# Altium PCB SmartHaloV1.PcbDoc (part 3 of 4)
Units mil, origin at the board's own origin, x right, y up, seen from the top; angles counter-clockwise.
Board outline 3022.28 x 2564.81 mil, 4 copper layers (Top Layer, Ground Plane, Power Plane, Bottom Layer), stack 59.692 mil thick; 370 components, 182 nets, 935 pads, 581 vias.
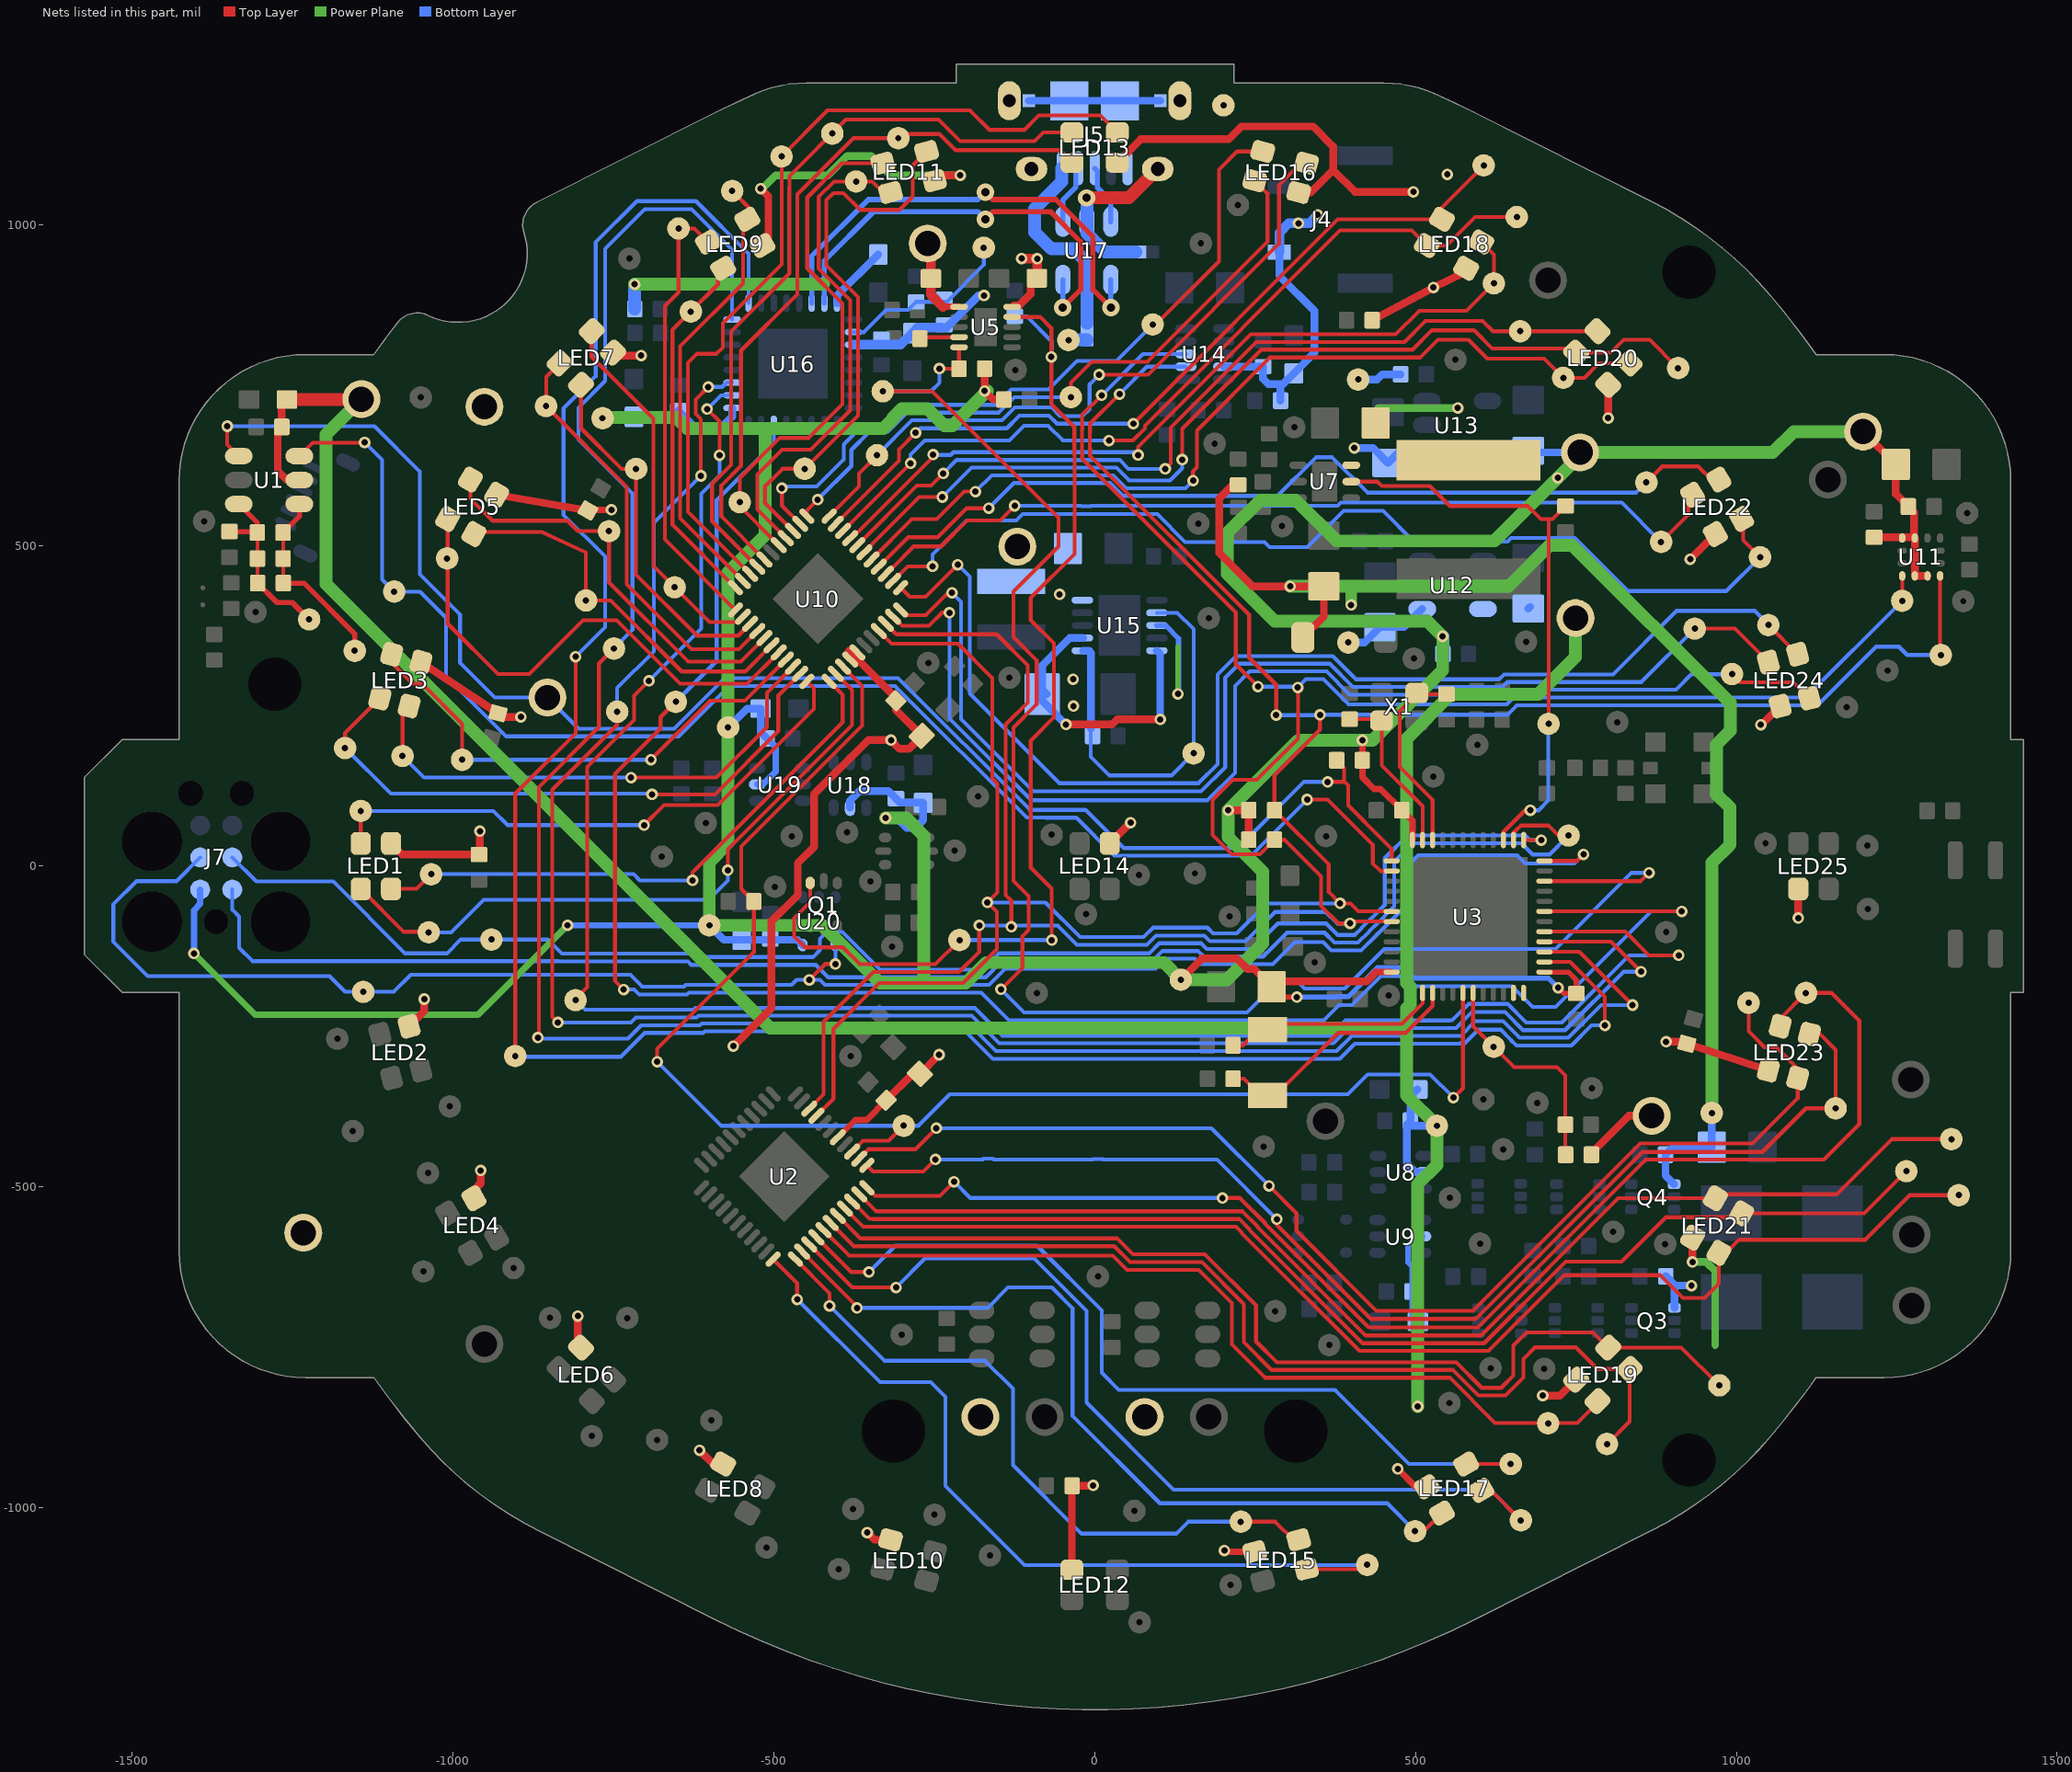
[diagram p5: the nets of this part, all layers, seen from the top]

## Via types
v1: diameter 18, hole 10, Top Layer to Bottom Layer, 557 vias
v2: diameter 27, hole 13, Top Layer to Bottom Layer, 24 vias

## Nets (pads, with @x,y where several pads share a name; then routed paths per layer and width w, separated by ;. In a path a pad name is that pad's centre, name@x,y a point inside that pad or via, vN(x,y) a via of type N, cw(c..) or ccw(c..) an arc to the next point about the centre after c; other vN are vias at no path point) (continued)
OUT23: LED15.3 TP42.1 U2.22 | length 1316.8
  Top Layer w6: U2.22@-501.1,-612.45 -463.6,-649.95 v1(-463.6,-675.2) ; LED15.3@330.22,-1095.58 418.02,-1095.58 TP42.1@424.8,-1088.8
  Bottom Layer w6: v1(-463.6,-675.2) -334.5,-804.3 -255.3,-804.3 -232.4,-827.2 -232.4,-965.8 -109.1,-1089.1 424.5,-1089.1 TP42.1@424.8,-1088.8
OUT24: LED15.4 TP43.1 U2.23 | length 1062.1
  Top Layer w6: U2.23@-466.3,-612.45 -413.1,-665.66 v1(-413.1,-685.2) ; TP43.1@227.7,-1021.7 281.5,-1021.7 309.74,-1049.94 LED15.4@317.99,-1049.94
  Bottom Layer w6: v1(-413.1,-685.2) -327.4,-770.9 -170.7,-770.9 -127.3,-814.3 -127.3,-933.4 -20.4,-1040.3 127,-1040.3 145.6,-1021.7 TP43.1@227.7,-1021.7
OUT25: LED17.2 TP44.1 U2.24 | length 1318.6
  Top Layer w6: U2.24@-455.86,-600.62 -367.98,-688.5 v1(-370.2,-688.5) ; TP44.1@499.3,-1036.4 512.98,-1036.4 LED17.2@541.16,-1008.21
  Bottom Layer w6: v1(-370.2,-688.5) -166.9,-688.5 -134.9,-656.5 -66.7,-656.5 -34.5,-688.7 -34.5,-856.7 101.8,-993 455.9,-993 TP44.1@499.3,-1036.4
OUT26: LED17.3 TP45.1 U2.25 | length 1489
  Top Layer w6: U2.25@-444.73,-589.49 -377.61,-656.6 v1(-309.4,-656.6) ; LED17.3@603.52,-971.8 616.4,-971.8 TP45.1@664.1,-1019.5
  Bottom Layer w6: v1(-309.4,-656.6) -263.7,-610.9 -94.7,-610.9 -12.7,-692.9 -12.7,-836 123.1,-971.8 616.4,-971.8 TP45.1@664.1,-1019.5
OUT27: LED17.4 TP46.1 U2.26 | length 1404.6
  Top Layer w6: U2.26@-433.59,-578.35 -379.44,-632.5 v1(-351.7,-632.5) ; LED17.4@578.91,-931.87 LED17.4@578.91,-915.81 ; LED17.4@578.91,-931.6 TP46.1@648.4,-931.6
  Bottom Layer w6: v1(-351.7,-632.5) -310.9,-591.7 -89.6,-591.7 10.9,-692.2 10.9,-789.42 37.78,-816.3 374.66,-816.3 489.96,-931.6 TP46.1@648.4,-931.6
OUT28: LED19.2 TP47.1 U2.27 | length 1385.1
  Top Layer w6: U2.27@-422.45,-567.22 -382.57,-607.1 28.2,-607.1 50.3,-629.2 162.2,-629.2 213.7,-680.7 213.7,-745.4 265.5,-797.2 553.43,-797.2 623.93,-867.7 752.3,-867.7 LED19.2@786.23,-833.77
OUT29: LED19.3 TP48.1 U2.28 | length 1584.7
  Top Layer w6: U2.28@-411.32,-556.08 -375.1,-592.3 30.37,-592.3 55.27,-617.2 167.17,-617.2 232.6,-682.63 232.6,-741.9 275.9,-785.2 558.4,-785.2 598.2,-825 640.2,-825 668.2,-797 668.2,-768 686.2,-750 749.7,-750 783.36,-783.66 LED19.3@833.77,-783.66 833.77,-865.33 TP48.1@798.5,-900.6
OUT30: LED19.4 TP49.1 U2.29 | length 1615
  Top Layer w6: U2.29@-400.18,-544.95 -364.83,-580.3 35.34,-580.3 59.74,-604.7 171.64,-604.7 251.5,-684.56 251.5,-740.74 283.96,-773.2 563.6,-773.2 603.4,-813 633.5,-813 652.3,-794.2 652.3,-747.2 673,-726.5 776.61,-726.5 LED19.4@800.36,-750.25 914.05,-750.25 TP49.1@973.2,-809.4
OUT31: LED21.2 TP50.1 U2.30 | length 1986.5
  Top Layer w6: U2.30@-389.05,-533.81 -360.86,-562 220.3,-562 229.8,-571.5 229.8,-572.67 412.73,-755.6 614,-755.6 732.2,-637.4 881.1,-637.4 916.7,-673 950.6,-673 972.74,-650.86 LED21.2@972.74,-602.54 984.16,-602.54 1004.5,-582.2 1200.9,-582.2 1270.3,-512.8 TP50.1@1346.5,-512.8
OUT32: LED21.3 TP51.1 U2.31 | length 1837.6
  Top Layer w6: U2.31@-377.91,-522.67 -350.79,-549.8 -345.49,-549.8 -345.29,-550 225.27,-550 241.8,-566.53 241.8,-567.7 417.6,-743.5 606.9,-743.5 734.1,-616.3 821.2,-616.3 890.26,-547.24 LED21.3@1002.1,-547.24 ; LED21.3@1008.17,-541.16 1199.14,-541.16 TP51.1@1265,-475.3
OUT33: LED21.4 TP52.1 U2.32 | length 1923.9
  Top Layer w6: U2.32@-366.78,-511.54 -340.32,-538 230.24,-538 253.8,-561.56 253.8,-562.73 422.57,-731.5 601.93,-731.5 815.89,-517.54 LED21.4@967.26,-517.54 967.26,-511.47 1156.03,-511.47 1242,-425.5 TP52.1@1335,-425.5
OUT34: LED23.4 TP53.1 U2.33 | length 2118.4
  Top Layer w6: U2.33@-354.95,-501.1 -342.14,-513.9 -241.2,-513.9 v1(-219.1,-491.8) ; v1(199.2,-517.2) 226.41,-517.2 265.8,-556.59 265.8,-557.76 427.04,-719 597.46,-719 858.96,-457.5 1136.5,-457.5 1191.7,-402.3 1191.7,-240.8 1148.5,-197.6 TP53.1@1108.4,-197.6 1068.24,-237.76 LED23.4@1068.24,-249.58
  Bottom Layer w6: v1(-219.1,-491.8) -193.8,-517.1 199.2,-517.1 v1(199.2,-517.2)
OUT35: LED23.3 TP54.1 U2.34 | length 1908.7
  Top Layer w6: U2.34@-354.95,-466.3 -345.45,-475.8 -266.8,-475.8 v1(-248.1,-457.1) ; v1(283.8,-550.2) 283.8,-558.79 430.71,-705.7 593.79,-705.7 853.99,-445.5 1040.5,-445.5 1108.6,-377.4 TP54.1@1154.7,-377.4 1154.7,-286.4 1130.11,-261.81 LED23.3@1113.88,-261.81
  Bottom Layer w6: v1(-248.1,-457.1) -174.66,-457.1 -173.36,-455.8 -158.44,-455.8 -157.14,-457.1 -2.96,-457.1 -2.56,-456.7 12.36,-456.7 12.76,-457.1 190.7,-457.1 v1(283.8,-550.2)
OUT36: LED23.2 TP55.1 U2.35 | length 1944.8
  Top Layer w6: U2.35@-366.78,-455.86 -352.12,-441.2 -279.4,-441.2 v1(-246.6,-408.4) ; v1(271.8,-498.2) 314.5,-540.9 314.5,-568.56 439.04,-693.1 589.42,-693.1 850.42,-432.1 1025.2,-432.1 1095.54,-361.76 LED23.2@1095.54,-330.26 1095.54,-315.14 1062.5,-282.1 1043.7,-282.1 1019.1,-257.5 TP55.1@1019.1,-213
  Bottom Layer w6: v1(-246.6,-408.4) 182,-408.4 v1(271.8,-498.2)
OUT37: LED24.2 TP60.1 U10.43 | length 1866.1
  Top Layer w6: U10.43@-314.18,388.86 -300.12,374.8 -258.1,374.8 -237.9,395 v1(-226.3,395) ; TP60.1@993.2,299.4 1005.9,286.7 1088.95,286.7 LED24.2@1113.88,261.77
  Bottom Layer w6: v1(-226.3,395) -226.3,240.6 -226.28,230.11 -98.97,102.8 176,102.8 218.7,145.5 218.7,280.8 241.4,303.5 361.27,303.5 397.57,267.2 640.26,267.2 647.96,274.9 905.9,274.9 930,299 TP60.1@993.2,299
OUT38: LED24.4 TP61.1 U10.44 | length 1843.9
  Top Layer w6: U10.44@-302.35,399.3 -294.34,391.3 -263.1,391.3 -228.4,426 v1(-222.3,426) ; TP61.1@935.2,370.2 997.7,370.2 LED24.4@1049.9,317.99
  Bottom Layer w6: v1(-222.3,426) -208.3,412 -208.3,377.58 -208.4,377.48 -208.4,229.2 -95.7,116.5 166,116.5 203.5,154 203.5,293.5 225.5,315.5 366.24,315.5 402.54,279.2 635.29,279.2 642.99,286.9 851.9,286.9 TP61.1@935.2,370.2
OUT39: LED24.3 TP59.1 U10.1 | length 1924.1
  Top Layer w6: U10.1@-302.35,434.1 -288.15,419.9 -263.3,419.9 v1(-213.3,469.9) ; TP59.1@1049.96,376.8 TP59.1@1049.96,375.8 LED24.3@1095.54,330.22
  Bottom Layer w6: v1(-213.3,469.9) -194.7,451.3 -194.7,268.94 -55.06,129.3 161.83,129.3 191.5,158.97 191.5,298.47 220.53,327.5 371.21,327.5 407.51,291.2 630.32,291.2 638.02,298.9 807.8,298.9 906.9,398 1028.76,398 TP59.1@1049.96,376.8
OUT40: LED22.2 TP66.1 U10.2 | length 1599.5
  Top Layer w6: U10.2@-314.18,444.54 -291.52,467.2 v1(-252.6,467.2) ; LED22.2@1008.17,541.16 1010.5,538.84 1010.5,508.1 TP66.1@1037,481.6
  Bottom Layer w6: v1(-252.6,467.2) -252.6,485.8 -199.6,538.8 -121.94,538.8 -112.14,548.6 97.7,548.6 141,505.3 264.6,505.3 272.7,497.2 331.64,497.2 388.04,553.6 449.65,553.6 497.25,506 643.49,506 648.99,511.5 748.1,511.5 830.8,428.8 984.2,428.8 TP66.1@1037,481.6
OUT41: LED22.4 TP68.1 U10.3 | length 1373.9
  Top Layer w6: U10.3@-325.31,455.67 -315.04,465.95 -314.48,465.95 -282.23,498.2 -239.4,498.2 -198.7,538.9 -147.3,538.9 v1(-124.5,561.7) ; TP68.1@882.7,505.3 924.96,547.56 924.96,572.04 LED22.4@931.83,578.91
  Bottom Layer w6: v1(-124.5,561.7) -21.46,561.7 -20.86,561.1 -5.94,561.1 -5.34,561.7 378.79,561.7 383.79,566.7 821.3,566.7 TP68.1@882.7,505.3
OUT42: LED22.3 TP67.1 U10.4 | length 1444.6
  Top Layer w6: U10.4@-336.45,466.81 -290.66,512.6 -245,512.6 -199.8,557.8 v1(-164.9,557.8) ; TP67.1@859.8,598.1 884.7,623 940.6,623 961.06,602.54 LED22.3@972.74,602.54
  Bottom Layer w6: v1(-164.9,557.8) -164.9,557.9 -125.7,597.1 23.9,597.1 43.9,577.1 284.7,577.1 344.8,637.2 370.2,637.2 425.2,582.2 843.9,582.2 TP67.1@859.8,598.1
OUT43: LED20.2 TP71.1 U10.5 | length 1416.1
  Top Layer w6: U10.5@-347.58,477.95 -284.66,540.87 -246.23,540.87 -203.4,583.7 v1(-185.8,583.7) ; v1@153.4,600.35 v1(153.4,600.83) 153.4,615.6 159.4,621.6 159.4,678.8 273.5,792.9 507.4,792.9 534.7,820.2 582.6,820.2 611.9,790.9 700.5,790.9 TP71.1@730.3,761.1 763.2,761.1 785.76,783.66 LED20.2@833.77,783.66
  Bottom Layer w6: v1(-185.8,583.7) -160.4,609.1 28.87,609.1 48.87,589.1 141.67,589.1 v1(153.4,600.83)
OUT44: LED20.4 TP70.1 U10.6 | length 1505.4
  Top Layer w6: U10.6@-358.72,489.08 -358.72,490.02 -273.44,575.3 v1(-237.5,575.3) ; v1(136.49,633.41) 136.49,681.69 259.7,804.9 495.4,804.9 525.7,835.2 591.1,835.2 619.5,806.8 743.81,806.8 LED20.4@750.25,800.36 804.36,800.36 824.3,820.3 865.1,820.3 TP70.1@909.2,776.2
  Bottom Layer w6: v1(-237.5,575.3) -191.7,621.1 33.84,621.1 53.84,601.1 117.46,601.1 136.49,620.13 v1(136.49,633.41)
OUT45: LED20.3 TP69.1 U10.7 | length 1349.2
  Top Layer w6: U10.7@-369.85,500.22 -276.77,593.3 -254.8,593.3 v1(-236,612.1) ; v1(110,619.1) 118.49,627.59 118.49,683.49 251.9,816.9 482.9,816.9 515.7,849.7 604.6,849.7 620.53,833.77 TP69.1@663.17,833.77 LED20.3@783.66,833.77
  Bottom Layer w6: v1(-236,612.1) -215,633.1 38.81,633.1 52.81,619.1 v1(110,619.1)
OUT46: LED18.2 TP72.1 U10.8 | length 1254.3
  Top Layer w6: U10.8@-380.99,511.35 -377.81,511.35 -251.7,637.46 v1(-251.7,641.5) ; v1(67.7,640.8) 67.7,653.3 243.3,828.9 469.2,828.9 506,865.7 579.5,865.7 TP72.1@622.2,908.4 622.2,953.08 LED18.2@602.54,972.74
  Bottom Layer w6: v1(-251.7,641.5) -251.7,640.96 -251.54,640.8 -224.27,640.8 -219.97,645.1 63.4,645.1 v1(67.7,640.8)
OUT47: LED18.4 TP73.1 U10.9 | length 1301.6
  Top Layer w6: U10.9@-392.13,522.49 v1(-286.8,627.81) ; v1(22.4,663.3) 59.46,663.3 78.3,682.14 78.3,686.5 382.5,990.7 494.1,990.7 LED18.4@517.54,967.26 548.46,967.26 592.9,1011.7 TP73.1@657.9,1011.7
  Bottom Layer w6: v1(-286.8,627.81) -286.8,641.2 -264.7,663.3 -133.1,663.3 -110,686.4 -72.47,686.4 -49.38,663.3 v1(22.4,663.3)
OUT48: LED18.3 TP74.1 U10.10 | length 1272.5
  Top Layer w6: U10.10@-403.26,533.62 -304.8,632.08 -304.8,649.36 v1(-278.86,675.3) ; v1(60.3,689.6) 378.87,1008.17 LED18.3@541.16,1008.17 541.16,1026.96 TP74.1@606.3,1092.1
  Bottom Layer w6: v1(-278.86,675.3) -271.66,682.5 -136.9,682.5 -117.2,702.2 -71.3,702.2 -58.7,689.6 v1(60.3,689.6)
OUT49: LED16.2 TP123.1 U10.11 | length 1070.8
  Top Layer w6: U10.11@-413.7,545.45 -367.1,592.06 -367.1,612 TP123.1@-338.9,640.2 ; v1(7,765.9) 83.2,765.9 287.2,969.9 287.2,1061.1 321.64,1095.54 LED16.2@330.22,1095.54
  Bottom Layer w6: TP123.1@-338.9,640.2 -338.9,640.72 -284.72,694.9 -144.27,694.9 -124.27,714.9 -67.03,714.9 -53.73,701.6 -18.8,701.6 -7.8,712.6 -7.8,751.1 v1(7,765.9)
OUT50: LED16.4 TP124.1 U10.12 | length 1031.5
  Top Layer w6: U10.12@-448.5,545.45 -448.5,554.3 v1(-431.5,571.3) ; TP124.1@-37,730.9 -37,753.7 -4.6,786.1 82.3,786.1 269.3,973.1 269.3,1048.49 LED16.4@249.54,1068.24
  Bottom Layer w6: v1(-431.5,571.3) -379.1,623.7 -379.1,648.8 -350.6,677.3 -322,677.3 -292.4,706.9 -149.24,706.9 -125.24,730.9 TP124.1@-37,730.9
OUT51: LED16.3 TP122.1 U10.13 | length 1131.2
  Top Layer w6: v1(-487.4,589.1) -487.4,562.08 U10.13@-458.94,533.62 ; TP122.1@90.9,843.8 94.88,843.8 193.6,942.52 193.6,1085.6 221.88,1113.88 LED16.3@261.77,1113.88
  Bottom Layer w6: v1(-487.4,589.1) -484.93,591.57 -433.33,591.57 -391.1,633.8 -391.1,657.32 -359.12,689.3 -328.4,689.3 -298.8,718.9 -154.21,718.9 -130.21,742.9 -72.2,742.9 -27.5,787.6 33.9,787.6 TP122.1@90.5,844.2
OUT52: LED11.2 TP119.1 U10.14 | length 872.4
  Top Layer w6: U10.14@-470.07,522.49 -513.8,566.21 -513.8,592 -486.5,619.3 TP119.1@-451.9,619.3 -368.8,702.4 -368.8,887.04 -418.1,936.34 -418.1,1038 -407.1,1049 -391.6,1049 -365.34,1022.74 -304.22,1022.74 -283.3,1043.66 -283.3,1092.39 LED11.2@-261.81,1113.88
OUT53: LED11.4 TP120.1 U10.15 | length 785.9
  Top Layer w6: U10.15@-481.21,511.35 -525.8,555.94 -525.8,610.4 -487.2,649 -442.3,649 -380.9,710.4 -380.9,882.17 -430.1,931.37 -430.1,1042.97 -406.07,1067 -346.5,1067 -329.4,1049.9 LED11.4@-318.03,1049.9
OUT54: LED11.3 TP121.1 U10.16 | length 822.3
  Top Layer w6: U10.16@-492.35,500.22 -553,560.87 -553,605.1 -490.6,667.5 -445.5,667.5 -392.9,720.1 -392.9,876.8 -447.9,931.8 -447.9,1042.14 -394.5,1095.54 LED11.3@-330.26,1095.54
OUT55: LED13.4 TP118.1 U10.18 | length 1131.2
  Top Layer w6: U10.18@-514.62,477.95 -581.8,545.13 -581.8,593.27 -551.1,623.97 -551.1,803.5 -463.1,891.5 -463.1,1047.1 -375.6,1134.6 TP118.1@-306,1134.6 -299.56,1141.04 -241.74,1141.04 -216.6,1115.9 -54.88,1115.9 LED13.4@-35.43,1096.46
OUT56: LED13.3 TP117.1 U10.19 | length 1183.9
  Top Layer w6: U10.19@-525.75,466.81 -596.2,537.26 -596.2,595.84 -566.6,625.44 -566.6,833 -475.85,923.75 -475.85,972.98 -475.8,973.03 -475.8,1058.27 ; -475.6,1058.47 -475.6,1075.6 -387.7,1163.5 -243.2,1163.5 -209.6,1129.9 -93.8,1129.9 -80,1143.7 LED13.3@-35.43,1143.7
OUT57: LED13.2 TP116.1 U10.20 | length 1354.1
  Top Layer w6: U10.20@-536.89,455.67 -633.8,552.59 -633.8,784.3 -619.5,798.6 -589.2,798.6 -579.6,808.2 -579.6,846.3 -487.85,938.05 -487.85,977.95 -487.8,978 TP116.1@-487.8,1106.12 ; TP116.1@-487.6,1106.5 -416.3,1177.8 -194.3,1177.8 -164,1147.5 -109.4,1147.5 -86.9,1170 9.13,1170 LED13.2@35.43,1143.7
OUT58: LED9.2 TP95.1 U10.21 | length 706.7
  Top Layer w6: TP95.1@-564.9,1052.4 -533.1,1020.6 -533.1,1016.24 LED9.2@-541.16,1008.17 ; U10.21@-548.02,444.54 -645.8,542.32 -645.8,810.3 -547.9,908.2 -547.9,996.39 LED9.2@-538.64,1005.65
OUT59: LED9.4 TP93.1 U10.22 | length 571.4
  Top Layer w6: LED9.4@-582.17,933.62 -586.9,928.89 -586.9,906.8 TP93.1@-629.3,864.4 -657.8,835.9 -657.8,532.04 U10.22@-559.85,434.1
OUT60: LED9.3 TP94.1 U10.23 | length 703.5
  Top Layer w6: LED9.3@-602.54,972.74 -623.6,993.8 TP94.1@-648.4,993.8 -648.4,894.5 -669.8,873.1 -669.8,509.25 U10.23@-559.85,399.3
OUT61: LED7.2 TP92.1 U10.24 | length 584.9
  Top Layer w6: LED7.2@-784,833.46 -784,793.9 -687.6,697.5 -687.6,467.8 -600.2,380.4 -556.48,380.4 U10.24@-548.02,388.86
OUT62: LED7.4 TP91.1 U10.25 | length 569.4
  Top Layer w6: LED7.4@-800.4,750.25 -800.4,682.4 -737.1,619.1 TP91.1@-714.6,619.1 -714.6,454.3 -619.6,359.3 -555.31,359.3 U10.25@-536.89,377.73
OUT63: LED7.3 TP90.1 U10.26 | length 662.3
  Top Layer w6: LED7.3@-833.81,783.66 -854.76,762.7 -854.76,716.86 -729,591.1 -729,439.1 -627.9,338 -554.34,338 U10.26@-525.75,366.59
OUT64: LED5.2 TP89.1 U10.27 | length 661.2
  Top Layer w6: LED5.2@-972.78,608.61 LED5.2@-972.78,602.54 -972.78,572.68 -938.44,538.34 -821.64,538.34 -805.5,522.2 TP89.1@-756.8,522.2 -756.8,442.3 -633.4,318.9 -551.17,318.9 U10.27@-514.62,355.45
OUT65: LED5.4 TP88.1 U10.28 | length 612
  Top Layer w6: LED5.4@-967.3,517.54 -967.3,520.99 -862,520.99 -792.7,488.93 TP88.1@-792.7,414.1 -754.3,414.1 -643.5,303.3 -544.5,303.3 U10.28@-503.48,344.32
OUT66: LED5.3 TP87.1 U10.29 | length 807.8
  Top Layer w6: LED5.3@-1008.21,541.16 -1008.21,377.81 -929.8,299.4 -881,299.4 -797.1,383.3 -745,383.3 -645.9,284.2 -541.33,284.2 U10.29@-492.35,333.18
OUT67: LED3.2 TP85.1 U10.30 | length 787.6
  Top Layer w6: LED3.2@-1095.58,330.22 -1095.58,316.98 -1062.8,284.2 -1048.2,284.2 -985.7,221.7 TP85.1@-985.7,165.9 ; v1(-691.5,165.9) -599.4,258 -545.26,258 U10.30@-481.21,322.05
  Bottom Layer w6: TP85.1@-985.7,165.9 v1(-691.5,165.9)
OUT68: LED3.4 TP84.1 U10.31 | length 807.7
  Top Layer w6: TP84.1@-1078.6,171.7 -1078.6,239.23 LED3.4@-1068.28,249.54 ; v1(-722.4,138) -589.3,138 -510.7,216.6 -510.7,270.29 U10.31@-470.07,310.91
  Bottom Layer w6: TP84.1@-1078.6,171.7 -1044.9,138 v1(-722.4,138)
OUT69: LED3.3 TP83.1 U10.32 | length 947.8
  Top Layer w6: TP83.1@-1168.1,184.1 -1168.1,207.59 LED3.3@-1113.92,261.77 ; v1(-689.7,111.8) -591.8,111.8 -493,210.6 -493,265.72 U10.32@-458.94,299.78
  Bottom Layer w6: TP83.1@-1168.1,184.1 -1096.9,112.9 v1@-690.8,112.9
OUT70: LED1.2 TP82.1 U10.33 | length 889.9
  Top Layer w6: TP82.1@-1143.7,86 LED1.2@-1143.7,35.43 LED1.2@-1142.5,36.63 ; v1(-702.2,64) -671,95.2 -587.5,95.2 -437.6,245.1 -437.6,277.05 U10.33@-448.5,287.95
  Bottom Layer w6: TP82.1@-1143.7,86 -936.8,86 -914.8,64 v1(-702.2,64)
OUT71: LED1.4 TP81.1 U10.34 | length 898.5
  Top Layer w6: LED1.4@-1096.46,-35.43 -1056.83,-35.43 TP81.1@-1033.9,-12.5 ; v1(-626.7,-22.1) -626.7,-9.8 -392.7,224.2 -392.7,266.94 U10.34@-413.43,287.67
  Bottom Layer w6: TP81.1@-1033.9,-12.5 -718.3,-12.5 -708.7,-22.1 v1(-626.7,-22.1)
OUT72: LED1.3 TP80.1 U10.35 | length 1046.2
  Top Layer w6: LED1.3@-1143.7,-35.43 -1076.83,-102.3 -1038.6,-102.3 TP80.1@-1037.8,-103.1 ; v1(-571.7,-6.3) -571.7,26.53 -378.2,220.03 -378.2,274.72 U10.35@-403.26,299.78
  Bottom Layer w6: TP80.1@-1037.8,-103.1 -1002.6,-103.1 -951.9,-52.4 -601.7,-52.4 -571.7,-22.4 v1(-571.7,-6.3)
P0.09/NFC1: U3.11
P0.10/NFC2: U3.12
P\G\: R10.1 TP149.1 U3.22 U5.5 | length 2647.6
  Top Layer w6: TP149.1@-330.1,740.1 -253.6,740.1 -56.4,542.9 -56.4,498.2 -126.5,428.1 -126.5,357.1 -90.42,321.02 -90.42,252.01 -126.5,215.93 -126.5,-23 -102.9,-46.6 -102.9,-99.32 -112.4,-108.82 -112.4,-158.6 v1(-145.9,-192.1) ; v1(-241.9,775.3) R10.1@-211.4,775.3 U5.5@-211.4,808.64 ; U3.22@700.99,-23.28 851.02,-23.28 v1(863.9,-10.4)